# Altium PCB 智能马桶综合检测台_数据板V1.0.PcbDoc (part 2 of 8) (continued)
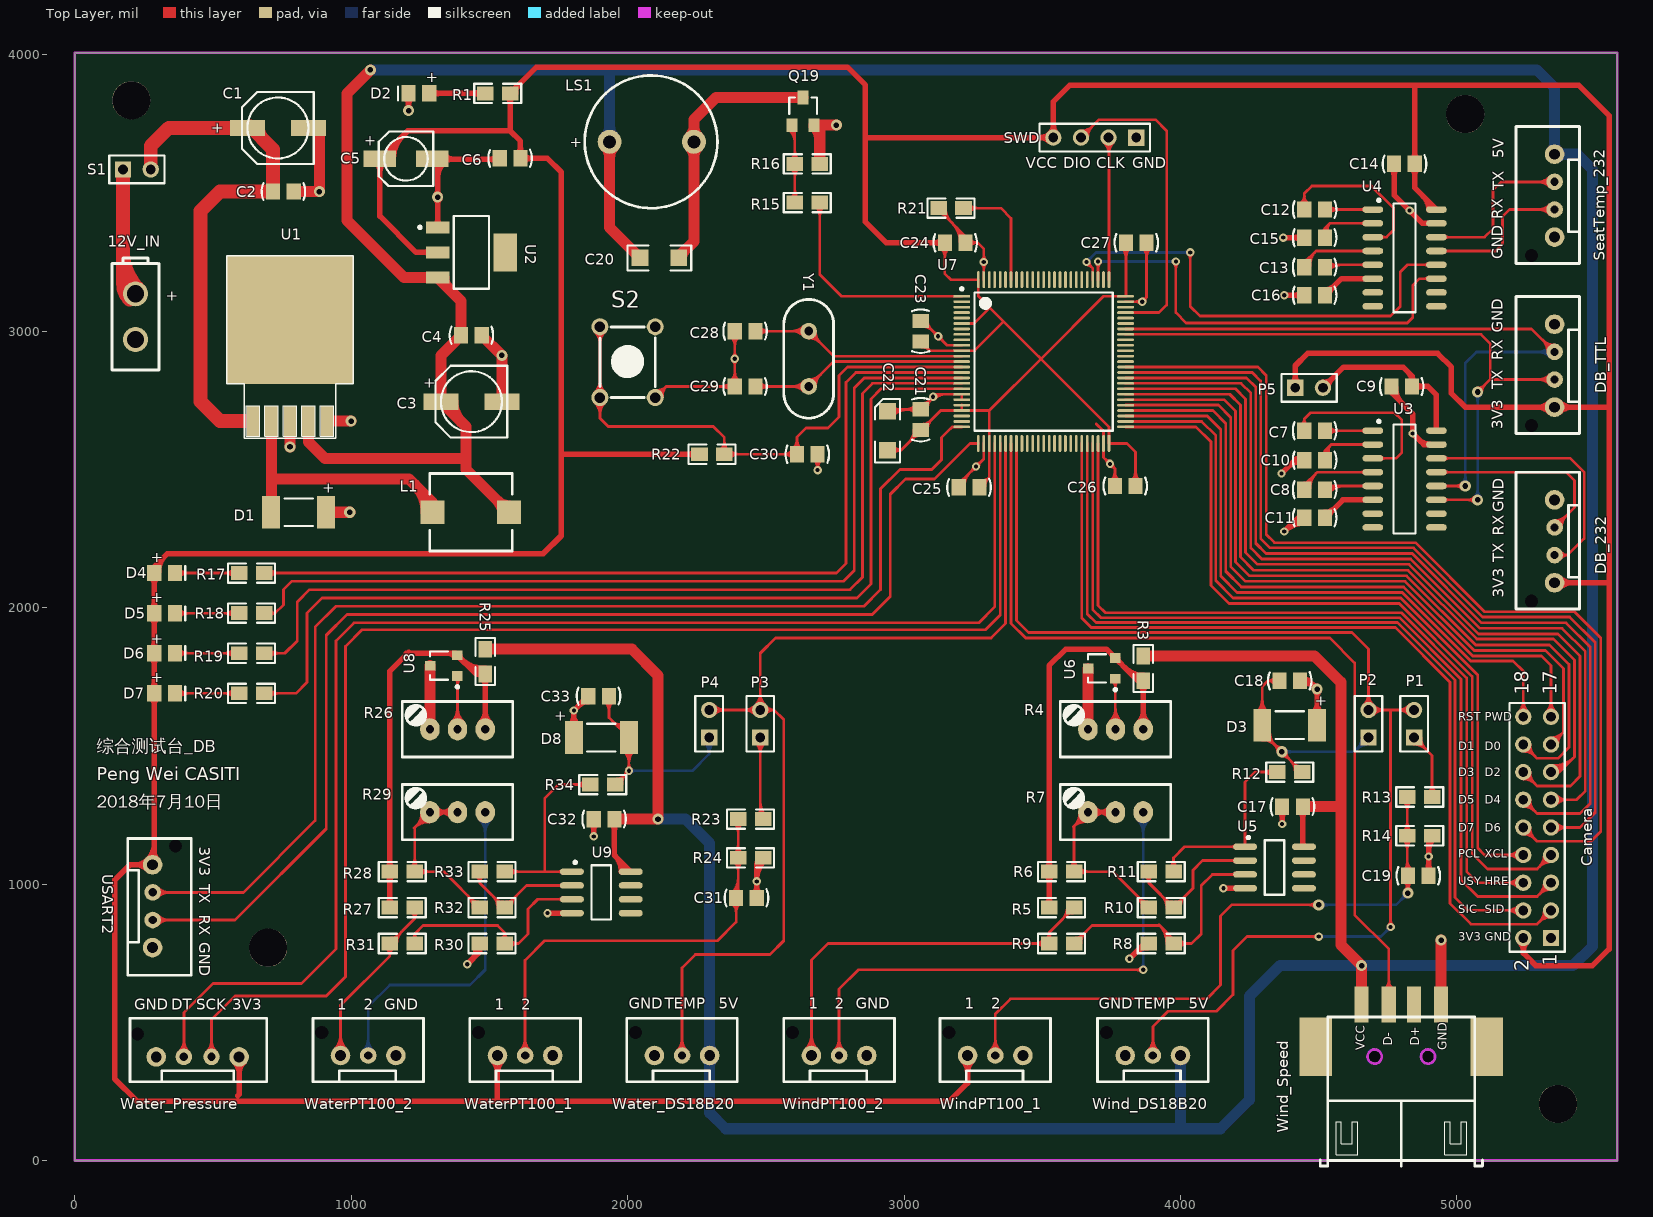
[diagram p0: Top Layer view]
## Nets (pads, with @x,y where several pads share a name; then routed paths per layer and width w, separated by ;. In a path a pad name is that pad's centre, name@x,y a point inside that pad or via, vN(x,y) a via of type N, cw(c..) or ccw(c..) an arc to the next point about the centre after c; other vN are vias at no path point) (continued)
  Top Layer w20: v2(1207.6,3797.4) D2.2@1207.6,3860 ; U2.1@1312.95,3375.55 1312.95,3622.05 1534.65,3622.05 C6.1@1537.6,3625 ; v1(1420,710) 1465,755 ; R30.2@1465,785 1465,755 ; v1(1710,895) U9.4@1798.7,895 ; D8.1@1805.59,1530 v1(1805.59,1627.99) C33.1@1857.6,1680 ; v1(1877.6,1172.6) C32.2@1877.6,1235 ; C31.2@2467.4,950 2467.4,1072.4 R24.1@2490,1095 ; v1(3815,730) 3870,785 R8.2@3885,785 ; v1(4155,985) U5.4@4233.7,985 ; v1(4365,2485) 4413.33,2533.33 ; v1(4367.6,1217.4) C17.2@4367.6,1280 ; v1(4371.67,3338.33) C15.1@4447.6,3338.33 ; v1(4375,2275) 4425,2325 C11.1@4447.6,2325 ; v1(4375,3130) C16.1@4447.6,3130 ; C18.1@4432.4,1735 4465,1735 ; C10.1@4447.6,2533.33 4413.33,2533.33 ; D3.1@4494.41,1575 v2(4494.41,1705.59) 4465,1735 ; C9.1@4762.6,2800 4762.6,2777.4 4840,2700 v1(4840,2630) 4880,2590 U3.15@4925.63,2590 ; C14.1@4772.6,3605 4772.6,3492.4 4875,3390 U4.15@4925.63,3390 ; C19.2@4897.4,1030 4897.4,1162.4 R14.1@4910,1175 ; D2.2@1196.57,3845.04 cw(c1169.96,3818.42) 1207.6,3818.42 ; D2.2@1196.57,3845.04 cw(c1169.96,3818.42) 1207.6,3818.42 ; D2.2@1196.57,3845.04 cw(c1169.96,3818.42) 1207.6,3818.42 ; D2.2@1196.57,3845.04 cw(c1169.96,3818.42) 1207.6,3818.42 ; D2.2@1196.57,3845.04 cw(c1169.96,3818.42) 1207.6,3818.42 ; D2.2@1196.57,3845.04 cw(c1169.96,3818.42) 1207.6,3818.42 ; v2@1200.53,3804.47 ccw(c1183.46,3821.54) 1207.6,3821.54 ; v2@1200.53,3804.47 ccw(c1183.46,3821.54) 1207.6,3821.54 ; v2@1200.53,3804.47 ccw(c1183.46,3821.54) 1207.6,3821.54 ; v2@1200.53,3804.47 ccw(c1183.46,3821.54) 1207.6,3821.54 ; v2@1200.53,3804.47 ccw(c1183.46,3821.54) 1207.6,3821.54 ; v2@1200.53,3804.47 ccw(c1183.46,3821.54) 1207.6,3821.54 ; 1207.6,3818.42 cw(c1245.24,3818.42) D2.2@1218.62,3845.04 ; 1207.6,3818.42 cw(c1245.24,3818.42) D2.2@1218.62,3845.04 ; 1207.6,3818.42 cw(c1245.24,3818.42) D2.2@1218.62,3845.04 ; 1207.6,3818.42 cw(c1245.24,3818.42) D2.2@1218.62,3845.04 ; 1207.6,3818.42 cw(c1245.24,3818.42) D2.2@1218.62,3845.04 ; 1207.6,3818.42 cw(c1245.24,3818.42) D2.2@1218.62,3845.04 ; 1207.6,3821.54 ccw(c1231.74,3821.54) v2@1214.67,3804.47 ; 1207.6,3821.54 ccw(c1231.74,3821.54) v2@1214.67,3804.47 ; 1207.6,3821.54 ccw(c1231.74,3821.54) v2@1214.67,3804.47 ; 1207.6,3821.54 ccw(c1231.74,3821.54) v2@1214.67,3804.47 ; 1207.6,3821.54 ccw(c1231.74,3821.54) v2@1214.67,3804.47 ; 1207.6,3821.54 ccw(c1231.74,3821.54) v2@1214.67,3804.47 ; U2.1@1304.71,3383.79 ccw(c1284.82,3403.69) 1312.95,3403.69 ; U2.1@1304.71,3383.79 ccw(c1284.82,3403.69) 1312.95,3403.69 ; U2.1@1304.71,3383.79 ccw(c1284.82,3403.69) 1312.95,3403.69 ; U2.1@1304.71,3383.79 ccw(c1284.82,3403.69) 1312.95,3403.69 ; U2.1@1304.71,3383.79 ccw(c1284.82,3403.69) 1312.95,3403.69 ; U2.1@1304.71,3383.79 ccw(c1284.82,3403.69) 1312.95,3403.69 ; v2@1305.88,3477.93 cw(c1288.81,3460.86) 1312.95,3460.86 ; v2@1305.88,3477.93 cw(c1288.81,3460.86) 1312.95,3460.86 ; v2@1305.88,3477.93 cw(c1288.81,3460.86) 1312.95,3460.86 ; v2@1305.88,3477.93 cw(c1288.81,3460.86) 1312.95,3460.86 ; v2@1305.88,3477.93 cw(c1288.81,3460.86) 1312.95,3460.86 ; v2@1305.88,3477.93 cw(c1288.81,3460.86) 1312.95,3460.86 ; v2@1305.88,3492.07 ccw(c1288.81,3509.14) 1312.95,3509.14 ; v2@1305.88,3492.07 ccw(c1288.81,3509.14) 1312.95,3509.14 ; v2@1305.88,3492.07 ccw(c1288.81,3509.14) 1312.95,3509.14 ; v2@1305.88,3492.07 ccw(c1288.81,3509.14) 1312.95,3509.14 ; v2@1305.88,3492.07 ccw(c1288.81,3509.14) 1312.95,3509.14 ; v2@1305.88,3492.07 ccw(c1288.81,3509.14) 1312.95,3509.14 ; 1312.95,3403.69 ccw(c1341.09,3403.69) U2.1@1321.19,3383.79 ; 1312.95,3403.69 ccw(c1341.09,3403.69) U2.1@1321.19,3383.79 ; 1312.95,3403.69 ccw(c1341.09,3403.69) U2.1@1321.19,3383.79 ; 1312.95,3403.69 ccw(c1341.09,3403.69) U2.1@1321.19,3383.79 ; 1312.95,3403.69 ccw(c1341.09,3403.69) U2.1@1321.19,3383.79 ; 1312.95,3403.69 ccw(c1341.09,3403.69) U2.1@1321.19,3383.79 ; 1312.95,3460.86 cw(c1337.09,3460.86) v2@1320.02,3477.93 ; 1312.95,3460.86 cw(c1337.09,3460.86) v2@1320.02,3477.93 ; 1312.95,3460.86 cw(c1337.09,3460.86) v2@1320.02,3477.93 ; 1312.95,3460.86 cw(c1337.09,3460.86) v2@1320.02,3477.93 ; 1312.95,3460.86 cw(c1337.09,3460.86) v2@1320.02,3477.93 ; 1312.95,3460.86 cw(c1337.09,3460.86) v2@1320.02,3477.93 ; 1312.95,3509.14 ccw(c1337.09,3509.14) v2@1320.02,3492.07 ; 1312.95,3509.14 ccw(c1337.09,3509.14) v2@1320.02,3492.07 ; 1312.95,3509.14 ccw(c1337.09,3509.14) v2@1320.02,3492.07 ; 1312.95,3509.14 ccw(c1337.09,3509.14) v2@1320.02,3492.07 ; 1312.95,3509.14 ccw(c1337.09,3509.14) v2@1320.02,3492.07 ; 1312.95,3509.14 ccw(c1337.09,3509.14) v2@1320.02,3492.07 ; 1312.95,3553.38 cw(c1392.49,3553.38) C5.2@1336.25,3609.62 ; 1312.95,3553.38 cw(c1392.49,3553.38) C5.2@1336.25,3609.62 ; 1312.95,3553.38 cw(c1392.49,3553.38) C5.2@1336.25,3609.62 ; 1312.95,3553.38 cw(c1392.49,3553.38) C5.2@1336.25,3609.62 ; 1312.95,3553.38 cw(c1392.49,3553.38) C5.2@1336.25,3609.62 ; 1312.95,3553.38 cw(c1392.49,3553.38) C5.2@1336.25,3609.62 ; C5.2@1336.25,3609.62 cw(c1366.26,3579.61) 1366.26,3622.05 ; C5.2@1336.25,3609.62 cw(c1366.26,3579.61) 1366.26,3622.05 ; C5.2@1336.25,3609.62 cw(c1366.26,3579.61) 1366.26,3622.05 ; C5.2@1336.25,3609.62 cw(c1366.26,3579.61) 1366.26,3622.05 ; C5.2@1336.25,3609.62 cw(c1366.26,3579.61) 1366.26,3622.05 ; C5.2@1336.25,3609.62 cw(c1366.26,3579.61) 1366.26,3622.05 ; C5.2@1336.25,3637.23 ccw(c1372.91,3673.9) 1372.91,3622.05 ; C5.2@1336.25,3637.23 ccw(c1372.91,3673.9) 1372.91,3622.05 ; C5.2@1336.25,3637.23 ccw(c1372.91,3673.9) 1372.91,3622.05 ; C5.2@1336.25,3637.23 ccw(c1372.91,3673.9) 1372.91,3622.05 ; C5.2@1336.25,3637.23 ccw(c1372.91,3673.9) 1372.91,3622.05 ; C5.2@1336.25,3637.23 ccw(c1372.91,3673.9) 1372.91,3622.05 ; 1437.5,727.5 ccw(c1405.59,759.41) R30.2@1446.43,778.62 ; 1437.5,727.5 ccw(c1405.59,759.41) R30.2@1446.43,778.62 ; 1437.5,727.5 ccw(c1405.59,759.41) R30.2@1446.43,778.62 ; 1437.5,727.5 ccw(c1405.59,759.41) R30.2@1446.43,778.62 ; 1437.5,727.5 ccw(c1405.59,759.41) R30.2@1446.43,778.62 ; 1437.5,727.5 ccw(c1405.59,759.41) R30.2@1446.43,778.62 ; R30.2@1456,773 cw(c1442.5,755) 1465,755 ; R30.2@1456,773 cw(c1442.5,755) 1465,755 ; R30.2@1456,773 cw(c1442.5,755) 1465,755 ; R30.2@1456,773 cw(c1442.5,755) 1465,755 ; R30.2@1456,773 cw(c1442.5,755) 1465,755 ; R30.2@1456,773 cw(c1442.5,755) 1465,755 ; 1457.63,747.63 ccw(c1432.97,772.29) R30.2@1464.52,787.13 ; 1457.63,747.63 ccw(c1432.97,772.29) R30.2@1464.52,787.13 ; 1457.63,747.63 ccw(c1432.97,772.29) R30.2@1464.52,787.13 ; 1457.63,747.63 ccw(c1432.97,772.29) R30.2@1464.52,787.13 ; 1457.63,747.63 ccw(c1432.97,772.29) R30.2@1464.52,787.13 ; 1457.63,747.63 ccw(c1432.97,772.29) R30.2@1464.52,787.13 ; 1465,755 cw(c1487.5,755) R30.2@1474,773 ; 1465,755 cw(c1487.5,755) R30.2@1474,773 ; 1465,755 cw(c1487.5,755) R30.2@1474,773 ; 1465,755 cw(c1487.5,755) R30.2@1474,773 ; 1465,755 cw(c1487.5,755) R30.2@1474,773 ; 1465,755 cw(c1487.5,755) R30.2@1474,773 ; 1497.58,3622.05 cw(c1497.58,3581.05) C6.1@1526.57,3610.04 ; 1497.58,3622.05 cw(c1497.58,3581.05) C6.1@1526.57,3610.04 ; 1497.58,3622.05 cw(c1497.58,3581.05) C6.1@1526.57,3610.04 ; 1497.58,3622.05 cw(c1497.58,3581.05) C6.1@1526.57,3610.04 ; 1497.58,3622.05 cw(c1497.58,3581.05) C6.1@1526.57,3610.04 ; 1497.58,3622.05 cw(c1497.58,3581.05) C6.1@1526.57,3610.04 ; 1502.34,3622.05 ccw(c1502.34,3656.33) C6.1@1526.57,3632.09 ; 1502.34,3622.05 ccw(c1502.34,3656.33) C6.1@1526.57,3632.09 ; 1502.34,3622.05 ccw(c1502.34,3656.33) C6.1@1526.57,3632.09 ; 1502.34,3622.05 ccw(c1502.34,3656.33) C6.1@1526.57,3632.09 ; 1502.34,3622.05 ccw(c1502.34,3656.33) C6.1@1526.57,3632.09 ; 1502.34,3622.05 ccw(c1502.34,3656.33) C6.1@1526.57,3632.09 ; D8.1@1789.69,1572.47 ccw(c1751.32,1610.85) 1805.59,1610.85 ; D8.1@1789.69,1572.47 ccw(c1751.32,1610.85) 1805.59,1610.85 ; D8.1@1789.69,1572.47 ccw(c1751.32,1610.85) 1805.59,1610.85 ; D8.1@1789.69,1572.47 ccw(c1751.32,1610.85) 1805.59,1610.85 ; D8.1@1789.69,1572.47 ccw(c1751.32,1610.85) 1805.59,1610.85 ; D8.1@1789.69,1572.47 ccw(c1751.32,1610.85) 1805.59,1610.85 ; 1805.59,1610.85 ccw(c1859.86,1610.85) D8.1@1821.49,1572.47 ; 1805.59,1610.85 ccw(c1859.86,1610.85) D8.1@1821.49,1572.47 ; 1805.59,1610.85 ccw(c1859.86,1610.85) D8.1@1821.49,1572.47 ; 1805.59,1610.85 ccw(c1859.86,1610.85) D8.1@1821.49,1572.47 ; 1805.59,1610.85 ccw(c1859.86,1610.85) D8.1@1821.49,1572.47 ; 1805.59,1610.85 ccw(c1859.86,1610.85) D8.1@1821.49,1572.47 ; 1824.26,1646.66 cw(c1857.6,1613.33) C33.1@1857.6,1660.47 ; 1824.26,1646.66 cw(c1857.6,1613.33) C33.1@1857.6,1660.47 ; 1824.26,1646.66 cw(c1857.6,1613.33) C33.1@1857.6,1660.47 ; 1824.26,1646.66 cw(c1857.6,1613.33) C33.1@1857.6,1660.47 ; 1824.26,1646.66 cw(c1857.6,1613.33) C33.1@1857.6,1660.47 ; 1824.26,1646.66 cw(c1857.6,1613.33) C33.1@1857.6,1660.47 ; C33.1@1833.77,1656.17 ccw(c1813.87,1676.06) C33.1@1842.01,1676.06 ; C33.1@1833.77,1656.17 ccw(c1813.87,1676.06) C33.1@1842.01,1676.06 ; C33.1@1833.77,1656.17 ccw(c1813.87,1676.06) C33.1@1842.01,1676.06 ; C33.1@1833.77,1656.17 ccw(c1813.87,1676.06) C33.1@1842.01,1676.06 ; C33.1@1833.77,1656.17 ccw(c1813.87,1676.06) C33.1@1842.01,1676.06 ; C33.1@1833.77,1656.17 ccw(c1813.87,1676.06) C33.1@1842.01,1676.06 ; C32.2@1866.57,1220.04 cw(c1839.96,1193.42) 1877.6,1193.42 ; C32.2@1866.57,1220.04 cw(c1839.96,1193.42) 1877.6,1193.42 ; C32.2@1866.57,1220.04 cw(c1839.96,1193.42) 1877.6,1193.42 ; C32.2@1866.57,1220.04 cw(c1839.96,1193.42) 1877.6,1193.42 ; C32.2@1866.57,1220.04 cw(c1839.96,1193.42) 1877.6,1193.42 ; C32.2@1866.57,1220.04 cw(c1839.96,1193.42) 1877.6,1193.42 ; 1877.6,1193.42 cw(c1915.24,1193.42) C32.2@1888.62,1220.04 ; 1877.6,1193.42 cw(c1915.24,1193.42) C32.2@1888.62,1220.04 ; 1877.6,1193.42 cw(c1915.24,1193.42) C32.2@1888.62,1220.04 ; 1877.6,1193.42 cw(c1915.24,1193.42) C32.2@1888.62,1220.04 ; 1877.6,1193.42 cw(c1915.24,1193.42) C32.2@1888.62,1220.04 ; 1877.6,1193.42 cw(c1915.24,1193.42) C32.2@1888.62,1220.04 ; C31.2@2456.38,964.96 ccw(c2429.76,991.58) 2467.4,991.58 ; C31.2@2456.38,964.96 ccw(c2429.76,991.58) 2467.4,991.58 ; C31.2@2456.38,964.96 ccw(c2429.76,991.58) 2467.4,991.58 ; C31.2@2456.38,964.96 ccw(c2429.76,991.58) 2467.4,991.58 ; C31.2@2456.38,964.96 ccw(c2429.76,991.58) 2467.4,991.58 ; C31.2@2456.38,964.96 ccw(c2429.76,991.58) 2467.4,991.58 ; 2467.4,991.58 ccw(c2505.04,991.58) C31.2@2478.43,964.96 ; 2467.4,991.58 ccw(c2505.04,991.58) C31.2@2478.43,964.96 ; 2467.4,991.58 ccw(c2505.04,991.58) C31.2@2478.43,964.96 ; 2467.4,991.58 ccw(c2505.04,991.58) C31.2@2478.43,964.96 ; 2467.4,991.58 ccw(c2505.04,991.58) C31.2@2478.43,964.96 ; 2467.4,991.58 ccw(c2505.04,991.58) C31.2@2478.43,964.96 ; v1@2467.4,1016.3 cw(c2563.7,1016.3) R24.1@2495.61,1084.39 ; v1@2467.4,1016.3 cw(c2563.7,1016.3) R24.1@2495.61,1084.39 ; v1@2467.4,1016.3 cw(c2563.7,1016.3) R24.1@2495.61,1084.39 ; v1@2467.4,1016.3 cw(c2563.7,1016.3) R24.1@2495.61,1084.39 ; v1@2467.4,1016.3 cw(c2563.7,1016.3) R24.1@2495.61,1084.39 ; v1@2467.4,1016.3 cw(c2563.7,1016.3) R24.1@2495.61,1084.39 ; 2467.4,1064.58 cw(c2515.42,1064.58) R24.1@2481.46,1098.54 ; 2467.4,1064.58 cw(c2515.42,1064.58) R24.1@2481.46,1098.54 ; 2467.4,1064.58 cw(c2515.42,1064.58) R24.1@2481.46,1098.54 ; 2467.4,1064.58 cw(c2515.42,1064.58) R24.1@2481.46,1098.54 ; 2467.4,1064.58 cw(c2515.42,1064.58) R24.1@2481.46,1098.54 ; 2467.4,1064.58 cw(c2515.42,1064.58) R24.1@2481.46,1098.54 ; 3837.32,752.32 cw(c3880,709.64) R8.2@3880,770 ; 3837.32,752.32 cw(c3880,709.64) R8.2@3880,770 ; 3837.32,752.32 cw(c3880,709.64) R8.2@3880,770 ; 3837.32,752.32 cw(c3880,709.64) R8.2@3880,770 ; 3837.32,752.32 cw(c3880,709.64) R8.2@3880,770 ; 3837.32,752.32 cw(c3880,709.64) R8.2@3880,770 ; C17.2@4356.57,1265.04 cw(c4329.96,1238.42) 4367.6,1238.42 ; C17.2@4356.57,1265.04 cw(c4329.96,1238.42) 4367.6,1238.42 ; C17.2@4356.57,1265.04 cw(c4329.96,1238.42) 4367.6,1238.42 ; C17.2@4356.57,1265.04 cw(c4329.96,1238.42) 4367.6,1238.42 ; C17.2@4356.57,1265.04 cw(c4329.96,1238.42) 4367.6,1238.42 ; C17.2@4356.57,1265.04 cw(c4329.96,1238.42) 4367.6,1238.42 ; 4367.6,1238.42 cw(c4405.24,1238.42) C17.2@4378.62,1265.04 ; 4367.6,1238.42 cw(c4405.24,1238.42) C17.2@4378.62,1265.04 ; 4367.6,1238.42 cw(c4405.24,1238.42) C17.2@4378.62,1265.04 ; 4367.6,1238.42 cw(c4405.24,1238.42) C17.2@4378.62,1265.04 ; 4367.6,1238.42 cw(c4405.24,1238.42) C17.2@4378.62,1265.04 ; 4367.6,1238.42 cw(c4405.24,1238.42) C17.2@4378.62,1265.04 ; v1@4375.68,2275.68 cw(c4447.6,2203.77) C11.1@4447.6,2305.47 ; v1@4375.68,2275.68 cw(c4447.6,2203.77) C11.1@4447.6,2305.47 ; v1@4375.68,2275.68 cw(c4447.6,2203.77) C11.1@4447.6,2305.47 ; v1@4375.68,2275.68 cw(c4447.6,2203.77) C11.1@4447.6,2305.47 ; v1@4375.68,2275.68 cw(c4447.6,2203.77) C11.1@4447.6,2305.47 ; v1@4375.68,2275.68 cw(c4447.6,2203.77) C11.1@4447.6,2305.47 ; 4389.91,2509.91 cw(c4447.6,2452.22) C10.1@4447.6,2533.81 ; 4389.91,2509.91 cw(c4447.6,2452.22) C10.1@4447.6,2533.81 ; 4389.91,2509.91 cw(c4447.6,2452.22) C10.1@4447.6,2533.81 ; 4389.91,2509.91 cw(c4447.6,2452.22) C10.1@4447.6,2533.81 ; 4389.91,2509.91 cw(c4447.6,2452.22) C10.1@4447.6,2533.81 ; 4389.91,2509.91 cw(c4447.6,2452.22) C10.1@4447.6,2533.81 ; 4396.2,2516.2 cw(c4420.1,2492.3) C10.1@4438.92,2520.38 ; 4396.2,2516.2 cw(c4420.1,2492.3) C10.1@4438.92,2520.38 ; 4396.2,2516.2 cw(c4420.1,2492.3) C10.1@4438.92,2520.38 ; 4396.2,2516.2 cw(c4420.1,2492.3) C10.1@4438.92,2520.38 ; 4396.2,2516.2 cw(c4420.1,2492.3) C10.1@4438.92,2520.38 ; 4396.2,2516.2 cw(c4420.1,2492.3) C10.1@4438.92,2520.38 ; 4409.83,2309.83 cw(c4447.6,2272.06) C11.1@4447.6,2325.47 ; 4409.83,2309.83 cw(c4447.6,2272.06) C11.1@4447.6,2325.47 ; 4409.83,2309.83 cw(c4447.6,2272.06) C11.1@4447.6,2325.47 ; 4409.83,2309.83 cw(c4447.6,2272.06) C11.1@4447.6,2325.47 ; 4409.83,2309.83 cw(c4447.6,2272.06) C11.1@4447.6,2325.47 ; 4409.83,2309.83 cw(c4447.6,2272.06) C11.1@4447.6,2325.47 ; 4409.96,3130 cw(c4409.96,3092.36) C16.1@4436.57,3118.98 ; 4409.96,3130 ccw(c4409.96,3167.64) C16.1@4436.57,3141.02 ; 4409.96,3130 ccw(c4409.96,3167.64) C16.1@4436.57,3141.02 ; 4409.96,3130 cw(c4409.96,3092.36) C16.1@4436.57,3118.98 ; 4409.96,3130 ccw(c4409.96,3167.64) C16.1@4436.57,3141.02 ; 4409.96,3130 cw(c4409.96,3092.36) C16.1@4436.57,3118.98 ; 4409.96,3130 ccw(c4409.96,3167.64) C16.1@4436.57,3141.02 ; 4409.96,3130 cw(c4409.96,3092.36) C16.1@4436.57,3118.98 ; 4409.96,3130 ccw(c4409.96,3167.64) C16.1@4436.57,3141.02 ; 4409.96,3130 cw(c4409.96,3092.36) C16.1@4436.57,3118.98 ; 4409.96,3130 ccw(c4409.96,3167.64) C16.1@4436.57,3141.02 ; 4409.96,3130 cw(c4409.96,3092.36) C16.1@4436.57,3118.98 ; 4409.96,3338.33 cw(c4409.96,3300.69) C15.1@4436.57,3327.31 ; 4409.96,3338.33 ccw(c4409.96,3375.97) C15.1@4436.57,3349.36 ; 4409.96,3338.33 ccw(c4409.96,3375.97) C15.1@4436.57,3349.36 ; 4409.96,3338.33 cw(c4409.96,3300.69) C15.1@4436.57,3327.31 ; 4409.96,3338.33 ccw(c4409.96,3375.97) C15.1@4436.57,3349.36 ; 4409.96,3338.33 cw(c4409.96,3300.69) C15.1@4436.57,3327.31 ; 4409.96,3338.33 ccw(c4409.96,3375.97) C15.1@4436.57,3349.36 ; 4409.96,3338.33 cw(c4409.96,3300.69) C15.1@4436.57,3327.31 ; 4409.96,3338.33 ccw(c4409.96,3375.97) C15.1@4436.57,3349.36 ; 4409.96,3338.33 cw(c4409.96,3300.69) C15.1@4436.57,3327.31 ; 4409.96,3338.33 ccw(c4409.96,3375.97) C15.1@4436.57,3349.36 ; 4409.96,3338.33 cw(c4409.96,3300.69) C15.1@4436.57,3327.31 ; 4413.34,2533.33 cw(c4413.34,2503.48) C10.1@4435.84,2523.09 ; 4413.34,2533.33 ccw(c4413.34,2563.19) C10.1@4435.84,2543.58 ; 4413.34,2533.33 ccw(c4413.34,2563.19) C10.1@4435.84,2543.58 ; 4413.34,2533.33 cw(c4413.34,2503.48) C10.1@4435.84,2523.09 ; 4413.34,2533.33 ccw(c4413.34,2563.19) C10.1@4435.84,2543.58 ; 4413.34,2533.33 cw(c4413.34,2503.48) C10.1@4435.84,2523.09 ; 4413.34,2533.33 ccw(c4413.34,2563.19) C10.1@4435.84,2543.58 ; 4413.34,2533.33 cw(c4413.34,2503.48) C10.1@4435.84,2523.09 ; 4413.34,2533.33 ccw(c4413.34,2563.19) C10.1@4435.84,2543.58 ; 4413.34,2533.33 cw(c4413.34,2503.48) C10.1@4435.84,2523.09 ; 4413.34,2533.33 ccw(c4413.34,2563.19) C10.1@4435.84,2543.58 ; 4413.34,2533.33 cw(c4413.34,2503.48) C10.1@4435.84,2523.09 ; 4413.41,2533.41 cw(c4433.91,2512.91) C10.1@4450.05,2537 ; 4413.41,2533.41 cw(c4433.91,2512.91) C10.1@4450.05,2537 ; 4413.41,2533.41 cw(c4433.91,2512.91) C10.1@4450.05,2537 ; 4413.41,2533.41 cw(c4433.91,2512.91) C10.1@4450.05,2537 ; 4413.41,2533.41 cw(c4433.91,2512.91) C10.1@4450.05,2537 ; 4413.41,2533.41 cw(c4433.91,2512.91) C10.1@4450.05,2537 ; C18.1@4429.63,1734.5 cw(c4447.45,1712.4) 4467.53,1732.47 ; C18.1@4429.63,1734.5 cw(c4447.45,1712.4) 4467.53,1732.47 ; C18.1@4429.63,1734.5 cw(c4447.45,1712.4) 4467.53,1732.47 ; C18.1@4429.63,1734.5 cw(c4447.45,1712.4) 4467.53,1732.47 ; C18.1@4429.63,1734.5 cw(c4447.45,1712.4) 4467.53,1732.47 ; C18.1@4429.63,1734.5 cw(c4447.45,1712.4) 4467.53,1732.47 ; C18.1@4431.97,1735.45 cw(c4438.1,1672.63) v2@4482.74,1717.26 ; C18.1@4431.97,1735.45 cw(c4438.1,1672.63) v2@4482.74,1717.26 ; C18.1@4431.97,1735.45 cw(c4438.1,1672.63) v2@4482.74,1717.26 ; C18.1@4431.97,1735.45 cw(c4438.1,1672.63) v2@4482.74,1717.26 ; C18.1@4431.97,1735.45 cw(c4438.1,1672.63) v2@4482.74,1717.26 ; C18.1@4431.97,1735.45 cw(c4438.1,1672.63) v2@4482.74,1717.26 ; C18.1@4442.19,1718.93 cw(c4461.51,1694.97) v2@4483.27,1716.73 ; C18.1@4442.19,1718.93 cw(c4461.51,1694.97) v2@4483.27,1716.73 ; C18.1@4442.19,1718.93 cw(c4461.51,1694.97) v2@4483.27,1716.73 ; C18.1@4442.19,1718.93 cw(c4461.51,1694.97) v2@4483.27,1716.73 ; C18.1@4442.19,1718.93 cw(c4461.51,1694.97) v2@4483.27,1716.73 ; C18.1@4442.19,1718.93 cw(c4461.51,1694.97) v2@4483.27,1716.73 ; C18.1@4444.54,1725.21 cw(c4465,1708.72) 4465,1735 ; C18.1@4444.54,1725.21 cw(c4465,1708.72) 4465,1735 ; C18.1@4444.54,1725.21 cw(c4465,1708.72) 4465,1735 ; C18.1@4444.54,1725.21 cw(c4465,1708.72) 4465,1735 ; C18.1@4444.54,1725.21 cw(c4465,1708.72) 4465,1735 ; C18.1@4444.54,1725.21 cw(c4465,1708.72) 4465,1735 ; C18.1@4444.54,1744.79 ccw(c4465,1761.28) 4465,1735 ; C18.1@4444.54,1744.79 ccw(c4465,1761.28) 4465,1735 ; C18.1@4444.54,1744.79 ccw(c4465,1761.28) 4465,1735 ; C18.1@4444.54,1744.79 ccw(c4465,1761.28) 4465,1735 ; C18.1@4444.54,1744.79 ccw(c4465,1761.28) 4465,1735 ; C18.1@4444.54,1744.79 ccw(c4465,1761.28) 4465,1735 ; 4477.34,1722.66 cw(c4460.27,1705.59) v2@4484.41,1705.59 ; 4477.34,1722.66 ccw(c4494.41,1739.73) v2@4494.41,1715.59 ; 4477.34,1722.66 ccw(c4494.41,1739.73) v2@4494.41,1715.59 ; 4477.34,1722.66 cw(c4460.27,1705.59) v2@4484.41,1705.59 ; 4477.34,1722.66 ccw(c4494.41,1739.73) v2@4494.41,1715.59 ; 4477.34,1722.66 cw(c4460.27,1705.59) v2@4484.41,1705.59 ; 4477.34,1722.66 ccw(c4494.41,1739.73) v2@4494.41,1715.59 ; 4477.34,1722.66 cw(c4460.27,1705.59) v2@4484.41,1705.59 ; 4477.34,1722.66 ccw(c4494.41,1739.73) v2@4494.41,1715.59 ; 4477.34,1722.66 cw(c4460.27,1705.59) v2@4484.41,1705.59 ; 4477.34,1722.66 ccw(c4494.41,1739.73) v2@4494.41,1715.59 ; 4477.34,1722.66 cw(c4460.27,1705.59) v2@4484.41,1705.59 ; D3.1@4478.51,1617.47 ccw(c4440.14,1655.85) 4494.41,1655.85 ; D3.1@4478.51,1617.47 ccw(c4440.14,1655.85) 4494.41,1655.85 ; D3.1@4478.51,1617.47 ccw(c4440.14,1655.85) 4494.41,1655.85 ; D3.1@4478.51,1617.47 ccw(c4440.14,1655.85) 4494.41,1655.85 ; D3.1@4478.51,1617.47 ccw(c4440.14,1655.85) 4494.41,1655.85 ; D3.1@4478.51,1617.47 ccw(c4440.14,1655.85) 4494.41,1655.85 ; v2@4487.34,1698.52 cw(c4470.27,1681.45) 4494.41,1681.45 ; v2@4487.34,1698.52 cw(c4470.27,1681.45) 4494.41,1681.45 ; v2@4487.34,1698.52 cw(c4470.27,1681.45) 4494.41,1681.45 ; v2@4487.34,1698.52 cw(c4470.27,1681.45) 4494.41,1681.45 ; v2@4487.34,1698.52 cw(c4470.27,1681.45) 4494.41,1681.45 ; v2@4487.34,1698.52 cw(c4470.27,1681.45) 4494.41,1681.45 ; 4494.41,1655.85 ccw(c4548.68,1655.85) D3.1@4510.31,1617.47 ; 4494.41,1655.85 ccw(c4548.68,1655.85) D3.1@4510.31,1617.47 ; 4494.41,1655.85 ccw(c4548.68,1655.85) D3.1@4510.31,1617.47 ; 4494.41,1655.85 ccw(c4548.68,1655.85) D3.1@4510.31,1617.47 ; 4494.41,1655.85 ccw(c4548.68,1655.85) D3.1@4510.31,1617.47 ; 4494.41,1655.85 ccw(c4548.68,1655.85) D3.1@4510.31,1617.47 ; 4494.41,1681.45 cw(c4518.55,1681.45) v2@4501.48,1698.52 ; 4494.41,1681.45 cw(c4518.55,1681.45) v2@4501.48,1698.52 ; 4494.41,1681.45 cw(c4518.55,1681.45) v2@4501.48,1698.52 ; 4494.41,1681.45 cw(c4518.55,1681.45) v2@4501.48,1698.52 ; 4494.41,1681.45 cw(c4518.55,1681.45) v2@4501.48,1698.52 ; 4494.41,1681.45 cw(c4518.55,1681.45) v2@4501.48,1698.52 ; C14.1@4761.57,3590.04 cw(c4734.96,3563.42) 4772.6,3563.42 ; C14.1@4761.57,3590.04 cw(c4734.96,3563.42) 4772.6,3563.42 ; C14.1@4761.57,3590.04 cw(c4734.96,3563.42) 4772.6,3563.42 ; C14.1@4761.57,3590.04 cw(c4734.96,3563.42) 4772.6,3563.42 ; C14.1@4761.57,3590.04 cw(c4734.96,3563.42) 4772.6,3563.42 ; C14.1@4761.57,3590.04 cw(c4734.96,3563.42) 4772.6,3563.42 ; 4772.6,3563.42 cw(c4810.24,3563.42) C14.1@4783.62,3590.04 ; 4772.6,3563.42 cw(c4810.24,3563.42) C14.1@4783.62,3590.04 ; 4772.6,3563.42 cw(c4810.24,3563.42) C14.1@4783.62,3590.04 ; 4772.6,3563.42 cw(c4810.24,3563.42) C14.1@4783.62,3590.04 ; 4772.6,3563.42 cw(c4810.24,3563.42) C14.1@4783.62,3590.04 ; 4772.6,3563.42 cw(c4810.24,3563.42) C14.1@4783.62,3590.04 ; C9.1@4778.19,2796.06 ccw(c4860.88,2796.06) 4802.41,2737.59 ; C9.1@4778.19,2796.06 ccw(c4860.88,2796.06) 4802.41,2737.59 ; C9.1@4778.19,2796.06 ccw(c4860.88,2796.06) 4802.41,2737.59 ; C9.1@4778.19,2796.06 ccw(c4860.88,2796.06) 4802.41,2737.59 ; C9.1@4778.19,2796.06 ccw(c4860.88,2796.06) 4802.41,2737.59 ; C9.1@4778.19,2796.06 ccw(c4860.88,2796.06) 4802.41,2737.59 ; 4862.74,2607.26 ccw(c4900.04,2644.56) U3.15@4900.04,2591.81 ; 4862.74,2607.26 ccw(c4900.04,2644.56) U3.15@4900.04,2591.81 ; 4862.74,2607.26 ccw(c4900.04,2644.56) U3.15@4900.04,2591.81 ; 4862.74,2607.26 ccw(c4900.04,2644.56) U3.15@4900.04,2591.81 ; 4862.74,2607.26 ccw(c4900.04,2644.56) U3.15@4900.04,2591.81 ; 4862.74,2607.26 ccw(c4900.04,2644.56) U3.15@4900.04,2591.81 ; C19.2@4886.38,1044.96 ccw(c4859.76,1071.58) 4897.4,1071.58 ; C19.2@4886.38,1044.96 ccw(c4859.76,1071.58) 4897.4,1071.58 ; C19.2@4886.38,1044.96 ccw(c4859.76,1071.58) 4897.4,1071.58 ; C19.2@4886.38,1044.96 ccw(c4859.76,1071.58) 4897.4,1071.58 ; C19.2@4886.38,1044.96 ccw(c4859.76,1071.58) 4897.4,1071.58 ; C19.2@4886.38,1044.96 ccw(c4859.76,1071.58) 4897.4,1071.58 ; 4897.4,1071.58 ccw(c4935.04,1071.58) C19.2@4908.43,1044.96 ; 4897.4,1071.58 ccw(c4935.04,1071.58) C19.2@4908.43,1044.96 ; 4897.4,1071.58 ccw(c4935.04,1071.58) C19.2@4908.43,1044.96 ; 4897.4,1071.58 ccw(c4935.04,1071.58) C19.2@4908.43,1044.96 ; 4897.4,1071.58 ccw(c4935.04,1071.58) C19.2@4908.43,1044.96 ; 4897.4,1071.58 ccw(c4935.04,1071.58) C19.2@4908.43,1044.96 ; 4897.4,1120.44 cw(c4959.56,1120.44) R14.1@4915.61,1164.39 ; 4897.4,1120.44 cw(c4959.56,1120.44) R14.1@4915.61,1164.39 ; 4897.4,1120.44 cw(c4959.56,1120.44) R14.1@4915.61,1164.39 ; 4897.4,1120.44 cw(c4959.56,1120.44) R14.1@4915.61,1164.39 ; 4897.4,1120.44 cw(c4959.56,1120.44) R14.1@4915.61,1164.39 ; 4897.4,1120.44 cw(c4959.56,1120.44) R14.1@4915.61,1164.39